# Altium PCB slave-14-mc33775.PcbDoc (part 3 of 5)
Units mil, origin at the board's own origin, x right, y up, seen from the top; angles counter-clockwise.
Board outline 6512.5 x 4562.01 mil, 6 copper layers (Top Copper, Supply, Signal Layer 1, Signal Layer 2, GND, Bot Copper), stack 69.773 mil thick; 427 components, 213 nets, 1131 pads, 1672 vias.
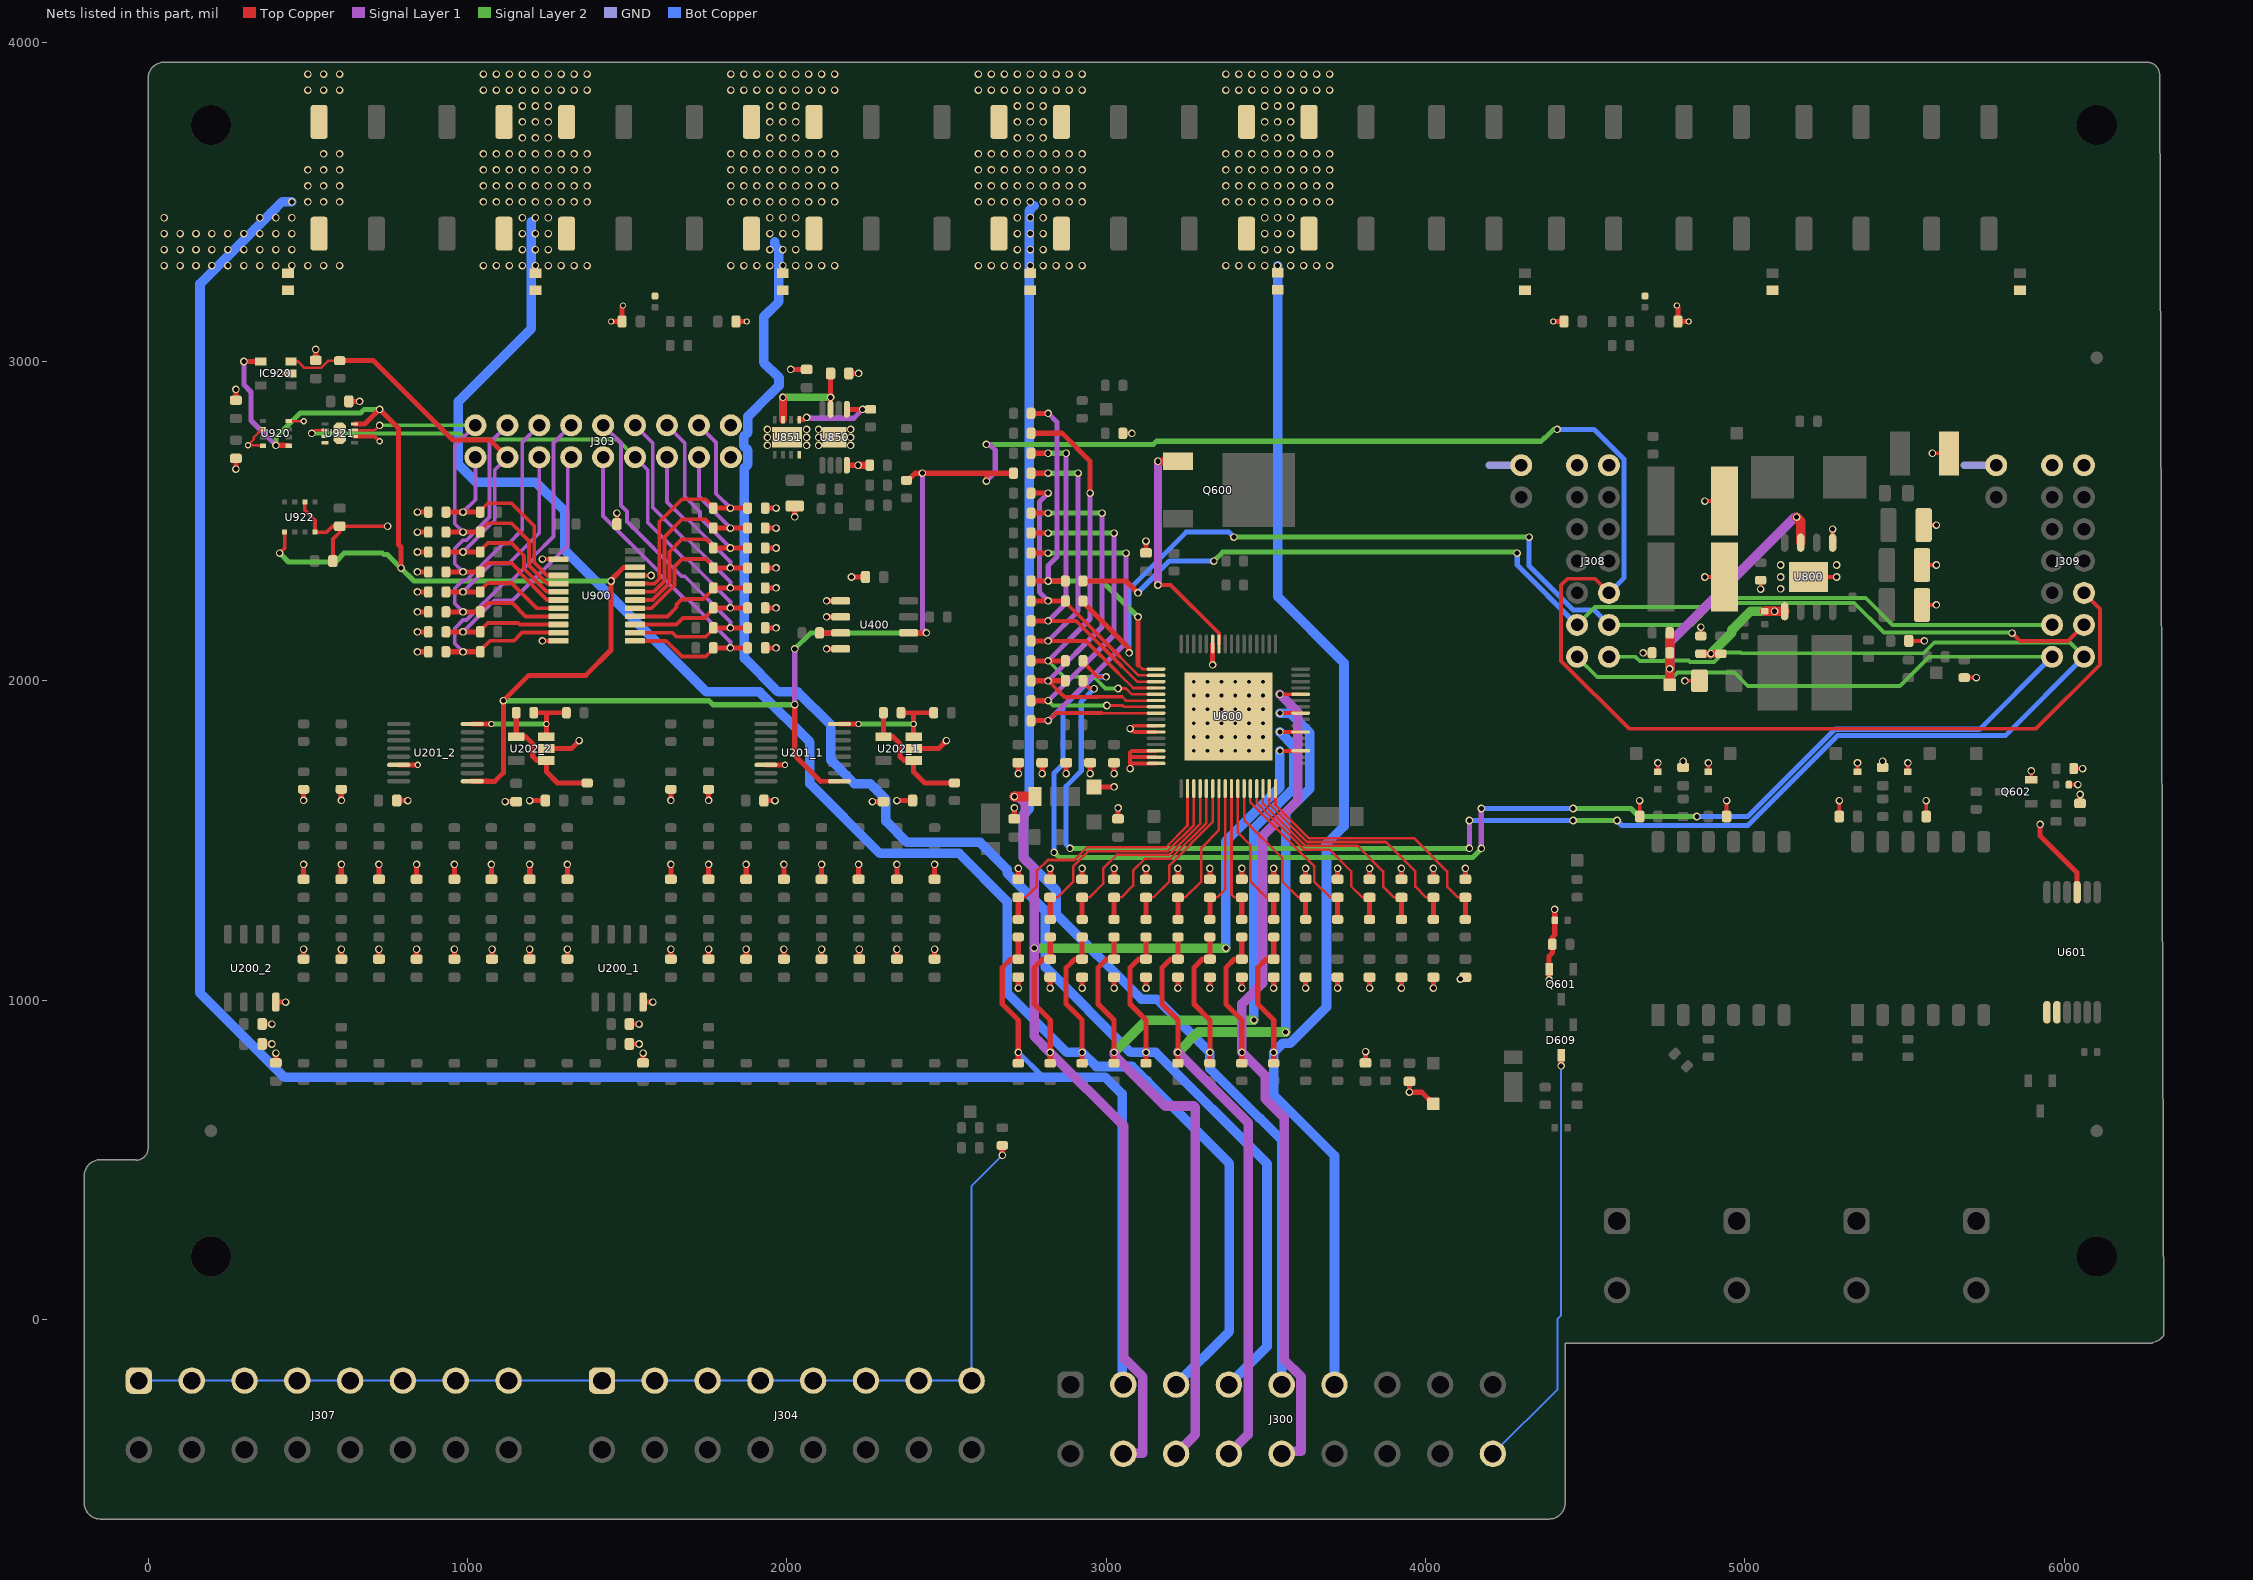
[diagram p7: the nets of this part, all layers, seen from the top]

## Via types
v1: diameter 23.62, hole 15.75, Top Copper to Bot Copper, 1585 vias
v2: diameter 19.68, hole 11.81, Top Copper to Bot Copper, 87 vias

## Nets (pads, with @x,y where several pads share a name; then routed paths per layer and width w, separated by ;. In a path a pad name is that pad's centre, name@x,y a point inside that pad or via, vN(x,y) a via of type N, cw(c..) or ccw(c..) an arc to the next point about the centre after c; other vN are vias at no path point) (continued)
CIN6: C502.2 J300.6 R501.2 R518.1 R709.1 R719.1 R720.2 R733.1 R734.2 | length 4223.4
  Top Copper w16: R518.1@3525,802.56 v1(3525,836.52) 3525,938.04 3475,988.04 3475,1101.24 3502.3,1128.54 C502.2@3525,1128.54 R501.2@3525,1197.44
  Bot Copper w30: v1(3537.5,3300) 3537.5,2263.27 3745,2055.77 3745,1544.52 3690.19,1489.71 3690.19,978.46 3576.92,865.19 3553.67,865.19 v1(3525,836.52) 3525,702.99 3715.35,512.64 J300.6@3715.35,-204.23
  other v1: 3375,3300 3415.62,3300 3456.25,3300 3496.87,3300 3578.12,3300 3618.75,3300 3659.37,3300 3700,3300 3496.87,3350 3537.5,3350 3578.12,3350 3496.87,3400 3537.5,3400 3578.12,3400 3496.87,3450 3537.5,3450 3578.12,3450 3375,3500 3415.62,3500 3456.25,3500 3496.87,3500 3537.5,3500 3578.12,3500 3618.75,3500 3659.37,3500 3700,3500 3375,3550 3415.62,3550 3456.25,3550 3496.87,3550 3537.5,3550 3578.12,3550 3618.75,3550 3659.37,3550 3700,3550 3375,3600 3415.62,3600 3456.25,3600 3496.87,3600 3537.5,3600 3578.12,3600 3618.75,3600 3659.37,3600 3700,3600 3375,3650 3415.62,3650 3456.25,3650 3496.87,3650 3537.5,3650 3578.12,3650 3618.75,3650 3659.37,3650 3700,3650 3496.87,3700 3537.5,3700 3578.12,3700 3496.87,3750 3537.5,3750 3578.12,3750 3496.87,3800 3537.5,3800 3578.12,3800 3375,3850 3415.62,3850 3456.25,3850 3496.87,3850 3537.5,3850 3578.12,3850 3618.75,3850 3659.37,3850 3700,3850 3375,3900 3415.62,3900 3456.25,3900 3496.87,3900 3537.5,3900 3578.12,3900 3618.75,3900 3659.37,3900 3700,3900
CIN7: C528.2 J300.14 R514.2 R519.1 U600.28 | length 3119.9
  Top Copper w12: v1@3545.96,1957.78 U600.28@3609.35,1957.78
  Top Copper w16: R519.1@3425,802.56 v1(3425,836.52) 3425,938.04 3375,988.04 3375,1101.24 3402.3,1128.54 C528.2@3425,1128.54 R514.2@3425,1197.44
  Signal Layer 1 w30: v1(3544.09,1957.78) 3600,1901.87 3600,1624.23 3490.19,1514.42 3490.19,1053.46 3425,988.27 v1(3425,836.52) 3498,763.52 3498,691.81 3557.4,632.4 3557.4,-126.3 3610.34,-179.24 3610.34,-413.36 3557.4,-413.36 J300.14@3550,-420.77
CIN8: C524.2 J300.5 R512.2 R520.1 R710.1 R721.1 R722.2 R735.1 R736.2 | length 4520
  Top Copper w16: R520.1@3325,802.56 v1(3325,836.52) 3325,938.04 3275,988.04 3275,1101.24 3302.3,1128.54 C524.2@3325,1128.54 R512.2@3325,1197.44
  Bot Copper w30: 2775,3487.5 2759.81,3472.31 2759.81,3450 2759.81,1599.75 2741.27,1581.21 2741.27,1447 2843.81,1344.46 2843.81,1269.46 3110.58,1002.69 3158.83,1002.69 v1(3325,836.52) 3325,785 3480,630 3482.5,630 3550,562.5 J300.5@3550,-204.23
  other v1: 2600,3300 2640.62,3300 2681.25,3300 2721.87,3300 2762.5,3300 2803.12,3300 2843.75,3300 2884.37,3300 2925,3300 2721.87,3350 2762.5,3350 2803.12,3350 2721.87,3400 2762.5,3400 2803.12,3400 2721.87,3450 2762.5,3450 2803.12,3450 2600,3500 2640.62,3500 2681.25,3500 2721.87,3500 2762.5,3500 2803.12,3500 2843.75,3500 2884.37,3500 2925,3500 2600,3550 2640.62,3550 2681.25,3550 2721.87,3550 2762.5,3550 2803.12,3550 2843.75,3550 2884.37,3550 2925,3550 2600,3600 2640.62,3600 2681.25,3600 2721.87,3600 2762.5,3600 2803.12,3600 2843.75,3600 2884.37,3600 2925,3600 2600,3650 2640.62,3650 2681.25,3650 2721.87,3650 2762.5,3650 2803.12,3650 2843.75,3650 2884.37,3650 2925,3650 2721.87,3700 2762.5,3700 2803.12,3700 2721.87,3750 2762.5,3750 2803.12,3750 2721.87,3800 2762.5,3800 2803.12,3800 2600,3850 2640.62,3850 2681.25,3850 2721.87,3850 2762.5,3850 2803.12,3850 2843.75,3850 2884.37,3850 2925,3850 2600,3900 2640.62,3900 2681.25,3900 2721.87,3900 2762.5,3900 2803.12,3900 2843.75,3900 2884.37,3900 2925,3900
CIN9: C520.2 J300.13 R510.2 R521.1 U600.25 | length 3337.5
  Top Copper w12: v1@3545.96,1898.72 U600.25@3609.35,1898.72
  Top Copper w16: R521.1@3225,802.56 v1(3225,836.52) 3225,938.04 3175,988.04 3175,1101.24 3202.3,1128.54 C520.2@3225,1128.54 R510.2@3225,1197.44
  Signal Layer 1 w30: v1(3225,836.52) 3444.98,616.53 3444.98,-360.43 J300.13@3384.65,-420.77
  Signal Layer 2 w30: v1(3225,836.52) 3288.48,900 v1(3562.5,900)
  Bot Copper w30: v1(3544.09,1898.72) 3576.28,1898.72 3637.5,1837.5 3637.5,1661.73 3562.5,1586.73 v1(3562.5,900)
CIN10: C516.2 J300.4 R508.2 R522.1 R711.1 R723.1 R724.2 R737.1 R738.2 | length 5101.8
  Top Copper w16: R522.1@3125,802.56 v1(3125,836.52) 3125,938.04 3075,988.04 3075,1101.24 3102.3,1128.54 C516.2@3125,1128.54 R508.2@3125,1197.44
  Bot Copper w30: 1962.5,3375 1962.5,3362.5 1975,3350 1975,3186.73 1927.69,3139.42 1927.69,2997.13 1975.66,2949.16 1975.66,2924.3 1945.77,2894.41 1945.08,2894.41 1878.45,2827.78 1878.45,2777.86 1865.19,2764.6 1865.19,2735.58 1878.45,2722.32 1878.45,2677.86 1867.35,2666.76 1867.35,2070.92 1973.08,1965.19 2034.04,1965.19 2138.16,1861.07 2138.16,1751.42 2211.4,1678.18 2260.62,1678.18 2310.19,1628.61 2310.19,1560.29 2376.66,1493.81 2605.42,1493.81 2690.19,1409.04 2690.19,1398.08 2809.81,1278.46 2809.81,1103.46 3076.75,836.52 v1(3125,836.52) 3155.49,836.52 3504.02,487.99 3504.02,-84.86 J300.4@3384.65,-204.23
  other v1: 1825,3300 1865.62,3300 1906.25,3300 1946.87,3300 1987.5,3300 2028.12,3300 2068.75,3300 2109.37,3300 2150,3300 1946.87,3350 1987.5,3350 2028.12,3350 1946.87,3400 1987.5,3400 2028.12,3400 1946.87,3450 1987.5,3450 2028.12,3450 1825,3500 1865.62,3500 1906.25,3500 1946.87,3500 1987.5,3500 2028.12,3500 2068.75,3500 2109.37,3500 2150,3500 1825,3550 1865.62,3550 1906.25,3550 1946.87,3550 1987.5,3550 2028.12,3550 2068.75,3550 2109.37,3550 2150,3550 1825,3600 1865.62,3600 1906.25,3600 1946.87,3600 1987.5,3600 2028.12,3600 2068.75,3600 2109.37,3600 2150,3600 1825,3650 1865.62,3650 1906.25,3650 1946.87,3650 1987.5,3650 2028.12,3650 2068.75,3650 2109.37,3650 2150,3650 1946.87,3700 1987.5,3700 2028.12,3700 1946.87,3750 1987.5,3750 2028.12,3750 1946.87,3800 1987.5,3800 2028.12,3800 1825,3850 1865.62,3850 1906.25,3850 1946.87,3850 1987.5,3850 2028.12,3850 2068.75,3850 2109.37,3850 2150,3850 1825,3900 1865.62,3900 1906.25,3900 1946.87,3900 1987.5,3900 2028.12,3900 2068.75,3900 2109.37,3900 2150,3900
CIN11: C512.2 J300.12 R506.2 R523.1 U600.22 | length 3404.5
  Top Copper w12: v1@3545.96,1839.67 U600.22@3609.35,1839.67
  Top Copper w16: R523.1@3025,802.56 v1(3025,836.52) 3025,938.04 2975,988.04 2975,1101.24 3002.3,1128.54 C512.2@3025,1128.54 R506.2@3025,1197.44
  Signal Layer 1 w30: v1(3025,836.52) 3025,828.56 3185.14,668.43 3274.85,668.43 3279.63,663.64 3279.63,-360.43 J300.12@3219.29,-420.77
  Signal Layer 2 w30: v1(3025,836.52) 3125.98,937.5 v1(3462.5,937.5)
  Bot Copper w30: v1(3462.5,937.5) 3462.5,1537.5 3587.5,1662.5 3587.5,1796.26 v1(3544.09,1839.67)
CIN12: C508.2 J300.3 R504.2 R524.1 R712.1 R725.1 R726.2 R739.1 R740.2 | length 5701.9
  Top Copper w16: R524.1@2925,802.56 v1(2925,836.52) 2925,938.04 2875,988.04 2875,1101.24 2902.3,1128.54 C508.2@2925,1128.54 R504.2@2925,1197.44
  Bot Copper w30: 1200,3437.5 1200,3103.15 971.56,2874.71 971.56,2677.86 1027.11,2622.31 1213.61,2622.31 1305.15,2530.77 1305.15,2408.12 1748.08,1965.19 1914.92,1965.19 2072.47,1807.64 2072.47,1678 2290.66,1459.81 2539.42,1459.81 2690.19,1309.04 2690.19,1023.08 2876.75,836.52 v1(2925,836.52) 2969.45,792.07 3081.91,792.07 3385.98,487.99 3385.98,-37.54 J300.3@3219.29,-204.23
  other v1: 1050,3300 1090.62,3300 1131.25,3300 1171.87,3300 1212.5,3300 1253.12,3300 1293.75,3300 1334.37,3300 1375,3300 1171.87,3350 1212.5,3350 1253.12,3350 1171.87,3400 1212.5,3400 1253.12,3400 1171.87,3450 1212.5,3450 1253.12,3450 1050,3500 1090.62,3500 1131.25,3500 1171.87,3500 1212.5,3500 1253.12,3500 1293.75,3500 1334.37,3500 1375,3500 1050,3550 1090.62,3550 1131.25,3550 1171.87,3550 1212.5,3550 1253.12,3550 1293.75,3550 1334.37,3550 1375,3550 1050,3600 1090.62,3600 1131.25,3600 1171.87,3600 1212.5,3600 1253.12,3600 1293.75,3600 1334.37,3600 1375,3600 1050,3650 1090.62,3650 1131.25,3650 1171.87,3650 1212.5,3650 1253.12,3650 1293.75,3650 1334.37,3650 1375,3650 1171.87,3700 1212.5,3700 1253.12,3700 1171.87,3750 1212.5,3750 1253.12,3750 1171.87,3800 1212.5,3800 1253.12,3800 1050,3850 1090.62,3850 1131.25,3850 1171.87,3850 1212.5,3850 1253.12,3850 1293.75,3850 1334.37,3850 1375,3850 1050,3900 1090.62,3900 1131.25,3900 1171.87,3900 1212.5,3900 1253.12,3900 1293.75,3900 1334.37,3900 1375,3900
CIN13: C504.2 D603.2 J300.11 R502.2 R525.1 U600.19 | length 4162.9
  Top Copper w12: v1@3545.96,1780.61 U600.19@3609.35,1780.61
  Top Copper w16: R525.1@2825,802.56 v1(2825,836.52) 2825,938.04 2775,988.04 2775,1101.24 2802.3,1128.54 C504.2@2825,1128.54 R502.2@2825,1197.44
  Top Copper w30: v1(2712.5,1637.5) D603.2@2777.46,1637.5
  Signal Layer 1 w30: v1(2712.5,1637.5) 2713.52,1636.48 2726.92,1636.48 2747.31,1616.09 2747.31,1582.96 2741.27,1576.92 2741.27,1445.46 2775,1411.73 v1(2775,1162.5) 2775,886.52 v1(2825,836.52) 3055.76,605.76 3055.76,-120.72 3114.27,-179.24 3114.27,-418.95 3055.76,-418.95 J300.11@3053.94,-420.77
  Signal Layer 2 w30: v1(2775,1162.5) v1(3375,1162.5)
  Bot Copper w30: v1(3375,1162.5) 3375,1498.08 3544.09,1667.18 v1(3544.09,1780.61)
CIN14: C500.2 J300.2 R500.2 R526.1 R713.1 R727.2 R741.2 | length 7093.8
  Top Copper w16: R526.1@2725,802.56 v1(2725,836.52) 2725,938.04 2675,988.04 2675,1101.24 2702.3,1128.54 C500.2@2725,1128.54 R500.2@2725,1197.44
  Bot Copper w16: v1(2725,836.52) 2799.51,762.01
  Bot Copper w30: v1(450,3500) 419.66,3500 384.83,3465.17 359.83,3440.17 334.83,3415.17 309.83,3390.17 284.83,3365.17 259.83,3340.17 234.83,3315.17 209.83,3290.17 162.61,3242.96 162.61,1022.41 426.95,758.07 2997.91,758.07 3050,705.98 J300.2@3050,-200
  other v1: 50,3300 100,3300 150,3300 200,3300 250,3300 300,3300 350,3300 400,3300 450,3300 500,3300 550,3300 600,3300 50,3350 100,3350 150,3350 200,3350 250,3350 300,3350 350,3350 400,3350 450,3350 50,3400 100,3400 150,3400 200,3400 250,3400 300,3400 350,3400 400,3400 450,3400 50,3450 350,3450 400,3450 450,3450 500,3500 550,3500 600,3500 500,3550 550,3550 600,3550 500,3600 550,3600 600,3600 550,3650 600,3650 500,3850 550,3850 600,3850 500,3900 550,3900 600,3900
CT0: C527.2 R513.1 U600.16 | length 862.7
  Top Copper w8: U600.16@3530.61,1662.5 3530.61,1610.72 3634.29,1507.03 3964.14,1507.03 4067.83,1403.35 4067.83,1355.93 4102.3,1321.46 C527.2@4125,1321.46
  Top Copper w16: R513.1@4125,1252.56 C527.2@4125,1321.46
CT1: C523.2 R511.1 U600.15 | length 780.8
  Top Copper w8: U600.15@3510.93,1662.5 3510.93,1613.43 3629.32,1495.03 3876.14,1495.03 3968.58,1402.59 3968.58,1355.17 4002.3,1321.46 C523.2@4025,1321.46
  Top Copper w16: R511.1@4025,1252.56 C523.2@4025,1321.46
CT2: C519.2 R509.1 U600.14 | length 698.9
  Top Copper w8: U600.14@3491.24,1662.5 3491.24,1616.14 3624.35,1483.03 3788.14,1483.03 3867.74,1403.44 3867.74,1356.02 3902.3,1321.46 C519.2@3925,1321.46
  Top Copper w16: R509.1@3925,1252.56 C519.2@3925,1321.46
CT3: C515.2 R507.1 U600.13 | length 616.9
  Top Copper w8: U600.13@3471.56,1662.5 3471.56,1618.86 3619.38,1471.03 3700.14,1471.03 3767.74,1403.44 3767.74,1356.02 3802.3,1321.46 C515.2@3825,1321.46
  Top Copper w16: R507.1@3825,1252.56 C515.2@3825,1321.46
CT4: C511.2 R505.1 U600.12 | length 536.4
  Top Copper w8: U600.12@3451.87,1662.5 3451.87,1619.3 3651.7,1419.47 3651.7,1372.05 3702.3,1321.46 C511.2@3725,1321.46
  Top Copper w16: R505.1@3725,1252.56 C511.2@3725,1321.46
CT5: C507.2 R503.1 U600.11 | length 503.1
  Top Copper w8: U600.11@3432.19,1662.5 3432.19,1564.32 3551.7,1444.81 3551.7,1372.05 3602.3,1321.46 C507.2@3625,1321.46
  Top Copper w16: R503.1@3625,1252.56 C507.2@3625,1321.46
CT6: C503.2 R501.1 U600.10 | length 469.8
  Top Copper w8: U600.10@3412.5,1662.5 3412.5,1524.16 3451.7,1484.96 3451.7,1372.05 3502.3,1321.46 C503.2@3525,1321.46
  Top Copper w16: R501.1@3525,1252.56 C503.2@3525,1321.46
CT7: C529.2 R514.1 U600.9 | length 436.6
  Top Copper w8: U600.9@3392.82,1662.5 3392.82,1330.94 3402.3,1321.46 C529.2@3425,1321.46
  Top Copper w16: R514.1@3425,1252.56 C529.2@3425,1321.46
CT8: C525.2 R512.1 U600.8 | length 443.2
  Top Copper w8: C525.2@3325,1321.46 3347.7,1321.46 3373.13,1346.89 U600.8@3373.13,1662.5
  Top Copper w16: R512.1@3325,1252.56 C525.2@3325,1321.46
CT9: C521.2 R510.1 U600.7 | length 476.4
  Top Copper w8: C521.2@3225,1321.46 3247.7,1321.46 3298.3,1372.05 3298.3,1476.99 3353.44,1532.14 U600.7@3353.44,1662.5
  Top Copper w16: R510.1@3225,1252.56 C521.2@3225,1321.46
CT10: C517.2 R508.1 U600.6 | length 509.7
  Top Copper w8: C517.2@3125,1321.46 3147.7,1321.46 3198.3,1372.05 3198.3,1421.74 3333.76,1557.2 U600.6@3333.76,1662.5
  Top Copper w16: R508.1@3125,1252.56 C517.2@3125,1321.46
CT11: C513.2 R506.1 U600.5 | length 590.3
  Top Copper w8: C513.2@3025,1321.46 3047.7,1321.46 3084.57,1358.33 3084.57,1405.74 3121.44,1442.61 3202.2,1442.61 3314.07,1554.49 U600.5@3314.07,1662.5
  Top Copper w16: R506.1@3025,1252.56 C513.2@3025,1321.46
CT12: C509.2 R504.1 U600.4 | length 672.2
  Top Copper w8: C509.2@2925,1321.46 2947.7,1321.46 2990.57,1364.33 2990.57,1411.74 3033.44,1454.61 3197.23,1454.61 3294.39,1551.77 U600.4@3294.39,1662.5
  Top Copper w16: R504.1@2925,1252.56 C509.2@2925,1321.46
CT13: C505.2 R502.1 U600.3 | length 754.1
  Top Copper w8: C505.2@2825,1321.46 2847.7,1321.46 2896.57,1370.33 2896.57,1417.74 2945.44,1466.61 3192.26,1466.61 3274.7,1549.06 U600.3@3274.7,1662.5
  Top Copper w16: R502.1@2825,1252.56 C505.2@2825,1321.46
CT14: C501.2 R500.1 U600.2 | length 836
  Top Copper w8: C501.2@2725,1321.46 2747.7,1321.46 2782.61,1356.36 2782.61,1403.78 2817.52,1438.69 2900.54,1438.69 2940.47,1478.61 3187.29,1478.61 3255.02,1546.35 U600.2@3255.02,1662.5
  Top Copper w16: R500.1@2725,1252.56 C501.2@2725,1321.46
D_1: R230_1.1 R232_1.1 U201_1.8 U202_1.3 | length 410.4
  Top Copper w15: U201_1.8@2165.16,1864.57 v2(2225,1864.57) ; R232_1.1@2357.87,1900 2400,1900 ; U202_1.3@2397.24,1824.9 v2(2397.24,1864.57) 2397.24,1897.24 2400,1900 ; R230_1.1@2459.94,1900 2400,1900
  Signal Layer 2 w15: v2(2225,1864.57) v2(2397.24,1864.57)
D_2: R230_2.1 R232_2.1 U201_2.8 U202_2.3 | length 410.4
  Top Copper w15: U201_2.8@1015.16,1864.57 v2(1075,1864.57) ; R232_2.1@1207.87,1900 1250,1900 ; U202_2.3@1247.24,1824.9 v2(1247.24,1864.57) 1247.24,1897.24 1250,1900 ; R230_2.1@1309.94,1900 1250,1900
  Signal Layer 2 w15: v2(1075,1864.57) v2(1247.24,1864.57)
D_amp_1: R231_1.1 R232_1.2 U202_1.1 U202_1.4 | length 403.6
  Top Copper w16: R232_1.2@2302.76,1900 U202_1.4@2302.76,1824.9 2332.35,1824.9 2354.69,1802.56 2354.69,1763.07 2367.65,1750.1 U202_1.1@2400,1750.1 ; U202_1.1@2397.24,1750.1 2397.24,1715.26 2432.38,1680.12 R231_1.1@2525,1680.12
D_amp_2: R231_2.1 R232_2.2 U202_2.1 U202_2.4 | length 403.6
  Top Copper w16: R232_2.2@1152.76,1900 U202_2.4@1152.76,1824.9 1182.35,1824.9 1204.69,1802.56 1204.69,1763.07 1217.65,1750.1 U202_2.1@1250,1750.1 ; U202_2.1@1247.24,1750.1 1247.24,1715.26 1282.38,1680.12 R231_2.1@1375,1680.12
Delay_LDO: C852.2 U850.7 U851.7 | length 331.7
  Top Copper w16: U850.7@2137.2,2850.1 C852.2@2137.2,2962.5
  Top Copper w24: U851.7@1988.09,2817.62 v1(1988.09,2887.5)
  Signal Layer 2 w24: v1(1988.09,2887.5) v1(2137.5,2887.5)
DIGITAL-IO_0: J303.1 R910.1 R917.2 U900.4 | length 714.8
  Top Copper w12: R910.1@1039.86,2528.25 1039.86,2532.18 1063.64,2555.96 1137.72,2555.96 1209.03,2484.66 1209.03,2370.04 1249.35,2329.72 U900.4@1284.84,2329.72
  Top Copper w16: R917.2@932.48,2528.25 v1(986.17,2528.25) R910.1@1039.86,2528.25
  Signal Layer 1 w12: v1(986.17,2528.25) 1025.01,2567.08 J303.1@1025.01,2700
DIGITAL-IO_1: J303.2 R900.1 R924.2 U900.5 U921.3 | length 1247
  Top Copper w8: U921.3@646.06,2784.84 709.84,2784.84 v1(725,2800)
  Top Copper w12: R900.1@1039.86,2465.75 1039.86,2469.68 1063.64,2493.46 1137.72,2493.46 1193.03,2438.16 1193.03,2360.45 1249.35,2304.13 U900.5@1284.84,2304.13
  Top Copper w16: R924.2@932.48,2465.75 v1(986.17,2465.75) R900.1@1039.86,2465.75
  Signal Layer 1 w12: v1(986.17,2465.75) 960.36,2491.56 960.36,2735.35 J303.2@1025.01,2800
  Signal Layer 2 w12: v1(725,2800) J303.2@1025.01,2800
DIGITAL-IO_2: IC920.3 J303.3 R905.1 R920.1 R929.2 U900.6 | length 1627.5
  Top Copper w8: IC920.3@447.24,2999.9 468.96,2999.9 488.08,2980.78 542.69,2980.78 564.47,3002.56 R920.1@600,3002.56
  Top Copper w12: R905.1@1039.86,2403.25 1039.86,2407.18 1063.64,2430.96 1137.72,2430.96 1177.03,2391.66 1177.03,2350.86 1249.35,2278.54 U900.6@1284.84,2278.54
  Top Copper w16: R920.1@600,3002.56 706.03,3002.56 955.04,2753.55 1071.45,2753.55 J303.3@1125,2700 ; R929.2@932.48,2403.25 v1(986.17,2403.25) R905.1@1039.86,2403.25
  Signal Layer 1 w12: v1(986.17,2403.25) 1085.46,2502.53 1085.46,2660.46 J303.3@1125,2700
DIGITAL-IO_3: J303.4 R911.1 R918.2 U900.7 | length 960.6
  Top Copper w12: R911.1@1039.86,2340.75 1039.86,2344.68 1063.64,2368.46 1137.72,2368.46 1161.03,2345.16 1161.03,2341.27 1249.35,2252.95 U900.7@1284.84,2252.95
  Top Copper w16: R918.2@932.48,2340.75 v1(986.17,2340.75) R911.1@1039.86,2340.75
  Signal Layer 1 w12: v1(986.17,2340.75) 960.36,2366.56 960.36,2413.94 986.36,2439.94 996.86,2439.94 1069.46,2512.53 1069.46,2744.46 J303.4@1125,2800
DIGITAL-IO_4: J303.5 R901.1 R925.2 U900.8 | length 951.2
  Top Copper w12: R901.1@1039.86,2278.25 1039.86,2282.18 1063.64,2305.96 1137.72,2305.96 1216.33,2227.36 U900.8@1284.84,2227.36
  Top Copper w16: R925.2@932.48,2278.25 v1(986.17,2278.25) R901.1@1039.86,2278.25
  Signal Layer 1 w12: v1(986.17,2278.25) 1074.48,2366.56 1128.75,2366.56 1225,2462.81 J303.5@1225,2700
DIGITAL-IO_5: J303.6 R906.1 R930.2 U900.9 | length 1104.5
  Top Copper w12: R906.1@1039.86,2215.75 1039.86,2219.68 1063.64,2243.46 1140.65,2243.46 1182.34,2201.77 U900.9@1284.84,2201.77
  Top Copper w16: R930.2@932.48,2215.75 v1(986.17,2215.75) R906.1@1039.86,2215.75
  Signal Layer 1 w12: v1(986.17,2215.75) 960.36,2241.56 960.36,2288.94 986.36,2314.94 996.86,2314.94 1110.98,2429.06 1128.75,2429.06 1171.43,2471.74 1171.43,2746.43 J303.6@1225,2800